# Altium PCB PCB.PcbDoc
Units mil, origin at the board's own origin, x right, y up, seen from the top; angles counter-clockwise.
Board outline 7480.31 x 2047.24 mil, 2 copper layers (Top Layer, Bottom Layer); 113 components, 135 nets, 524 pads, 237 vias.
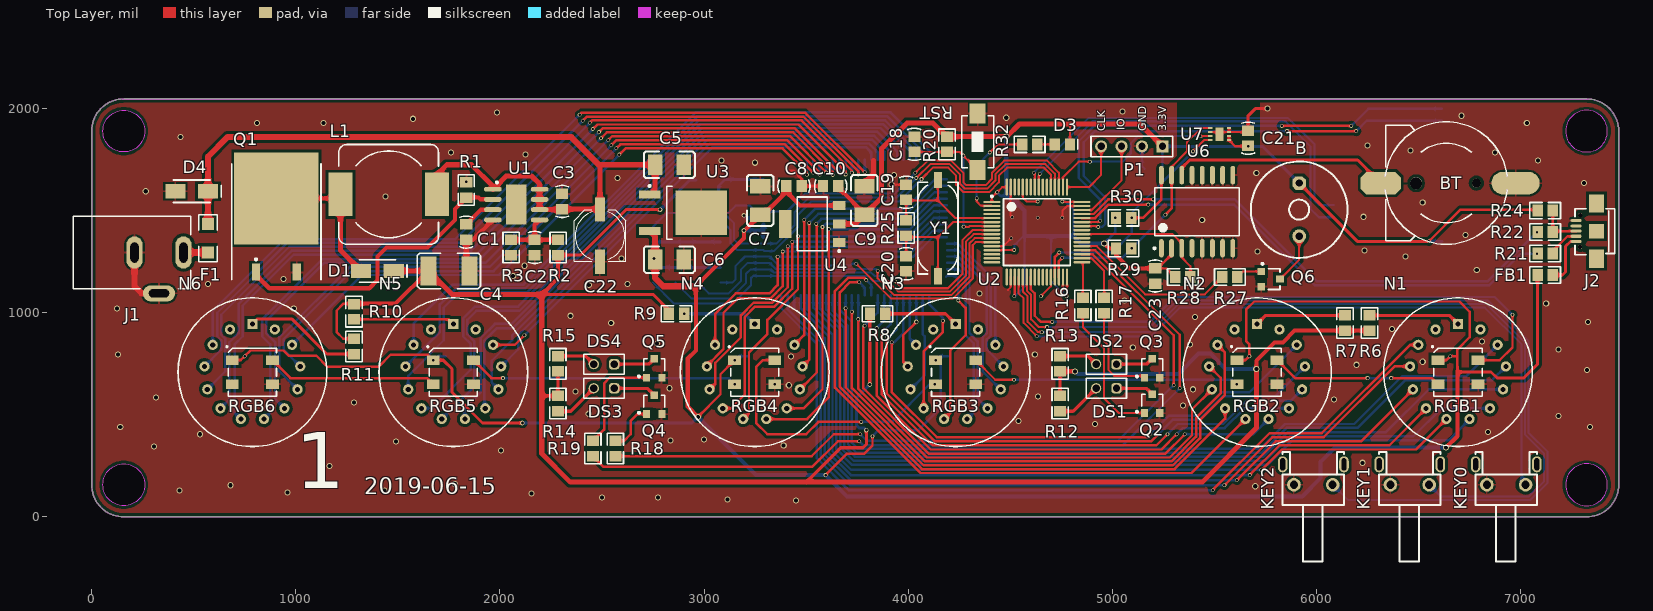
[diagram p0: Top Layer view]
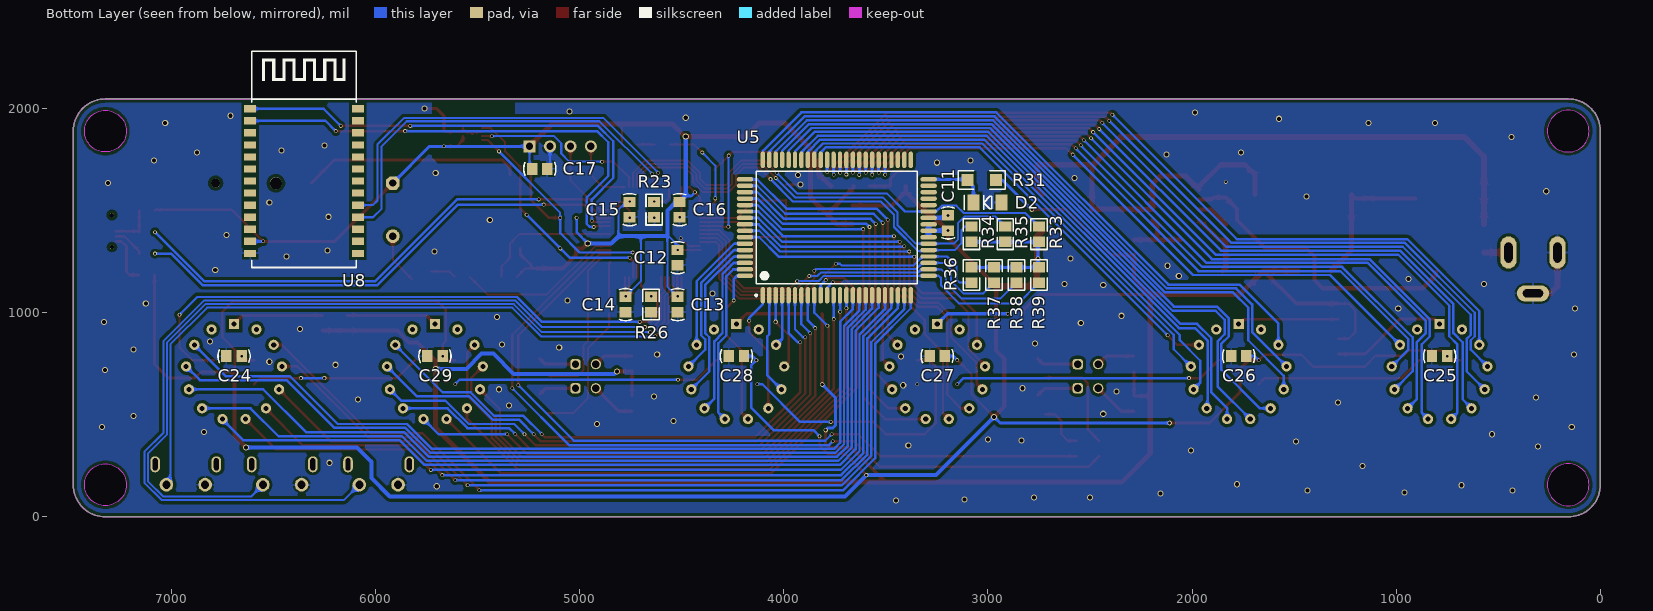
[diagram p1: Bottom Layer view, seen from below]

## Layer stack, top to bottom
Top Solder: solder mask 0.4, Solder Resist, Dk 3.5
Top Layer: signal copper 1.4
Dielectric 1: dielectric 12.6, FR-4, Dk 4.8
Bottom Layer: signal copper 1.4
Bottom Solder: solder mask 0.4, Solder Resist, Dk 3.5

## Board outline
0,157.48 0,1889.76 cw(c157.48,1889.76) 157.48,2047.24 7322.83,2047.24 cw(c7322.83,1889.76) 7480.31,1889.76 7480.31,157.48 cw(c7322.83,157.48) 7322.83,0 157.48,0 cw(c157.48,157.48)
cut-out: 7220.47,157.48 ccw(c7322.83,157.48) 7322.83,55.12 ccw(c7322.83,157.48) 7425.2,157.48 ccw(c7322.83,157.48) 7322.83,259.84 ccw(c7322.83,157.48)
cut-out: 157.48,55.12 cw(c157.48,157.48) 55.12,157.48 cw(c157.48,157.48) 157.48,259.84 cw(c157.48,157.48) 259.84,157.48 cw(c157.48,157.48)
cut-out: 7220.47,1889.76 ccw(c7322.83,1889.76) 7322.83,1787.4 ccw(c7322.83,1889.76) 7425.2,1889.76 ccw(c7322.83,1889.76) 7322.83,1992.13 ccw(c7322.83,1889.76)
cut-out: 157.48,1787.4 cw(c157.48,1889.76) 55.12,1889.76 cw(c157.48,1889.76) 157.48,1992.13 cw(c157.48,1889.76) 259.84,1889.76 cw(c157.48,1889.76)

## Design rules (kind name [scope] priority, off if disabled: settings)
Clearance Clearance_Polygon [InPolygon] p1: gap=15
Clearance [All] p2: gap=7
Height [All] p1: minheight=0 maxheight=3149.61 prefheight=500
MinimumSolderMaskSliver [All] p1: minsoldermaskwidth=0
PolygonConnect PolygonConnectVias [IsVia] p1: connectstyle=Direct reliefconductorwidth=10 reliefentries=4 polygonreliefangle="90 Angle" airgapwidth=10
PolygonConnect [All] p2: connectstyle=Relief reliefconductorwidth=10 reliefentries=4 polygonreliefangle="90 Angle" airgapwidth=10
RoutingVias [All] p1: holewidth=25 width=33 viastyle="Through Hole" minholewidth=10 minwidth=15 maxholewidth=50 maxwidth=70
SilkToSilkClearance [All] p1: silktosilkclearance=0
SilkToSolderMaskClearance [IsPad] p1: minsilkscreentomaskgap=0 clearancetoexposedcopper=TRUE
SolderMaskExpansion [All] p1: expansion=4
Width Width_VCC [(InNet('VCC5') AND InNet('VCC12') AND InNet('VCC3.3') AND InNet('VH'))] p1: maxlimit=35 minlimit=10 preferedwidth=25
Width [All] p2: maxlimit=35 minlimit=10 preferedwidth=10
26 further rules are at their usual default settings.

## Components (designator, comment, footprint, x,y, rotation, side; value= is the part's Value field where it differs from the comment)
B "BEEP-NS" BEEP-NS 5915,1505 r270 top
BT "Battery" CR1220 6315,1635 r90 top
C1 "Cap-S" C-0805 1835,1395 r90 top
C2 "Cap-S" C-0805 2170,1320 r90 top
C3 "Cap-S" C-0805 2305,1545 r270 top
C4 "Cap-Pol" C-1812 1750,1205 r0 top
C5 "Cap-S" C-1210 2830,1725 r0 top
C6 "Cap-S" C-1210 2830,1260 r0 top
C7 "Cap-Pol" C-1210 3275,1550 r270 top
C8 "Cap-S" C-0805 3440,1620 r0 top
C9 "Cap-Pol" C-1210 3785,1550 r270 top
C10 "Cap-S" C-0805 3620,1620 r180 top
C11 "Cap-S" C-0805 3195,1440 r90 bottom
C12 "Cap-S" C-0805 4520,1270 r90 bottom
C13 "Cap-S" C-0805 4520,1040 r90 bottom
C14 "Cap-S" C-0805 4775,1040 r90 bottom
C15 "Cap-S" C-0805 4755,1505 r90 bottom
C16 "Cap-S" C-0805 4510,1505 r90 bottom
C17 "Cap-S" C-0805 5195,1705 r180 bottom
C18 "Cap-S" C-0805 4030,1825 r90 top
C19 "Cap-S" C-0805 3990,1590 r270 top
C20 "Cap-S" C-0805 3990,1240 r90 top
C21 "Cap-S" C-0805 5665,1855 r270 top
C22 "Cap-Pol-ES" C-RB-SMD6.3x7.7 2490,1377.48 r270 top
C23 "Cap-S" C-0805 5210,1180 r270 top
C24 "Cap-S" C-0805 6692.91,787.4 r0 bottom
C25 "Cap-S" C-0805 787.4,787.4 r0 bottom
C26 "Cap-S" C-0805 1771.65,787.4 r0 bottom
C27 "Cap-S" C-0805 3248.03,787.4 r0 bottom
C28 "Cap-S" C-0805 4232.28,787.4 r0 bottom
C29 "Cap-S" C-0805 5708.66,787.4 r0 bottom
D1 "RS1G" D-SMA 1400,1205 r0 top
D2 "ZMM75" D-ll34 3000,1540 r0 bottom
D3 "LED0" LED-0805 4755,1825 r0 top
D4 "1N4007" D-SMA 490,1595 r0 top
DS1 "Neon" PIN2 4970.47,629.92 r180 top
DS2 "Neon" PIN2 4970.47,748.03 r180 top
DS3 "Neon" PIN2 2509.84,629.92 r180 top
DS4 "Neon" PIN2 2509.84,748.03 r180 top
F1 "Fuse1" 1206 570,1365 r90 top
FB1 "Inductor" 0805-1 7120,1185 r0 top
J1 "PWRCON" DC-005 490,1295 r0 top
J2 "USB_M" USB_MICRO 7371.25,1400 r90 top
KEY0 "KEY" SW_PB2_C1 6929.13,157.48 r180 top
KEY1 "KEY" SW_PB2_C1 6456.69,157.48 r180 top
KEY2 "KEY" SW_PB2_C1 5984.25,157.48 r180 top
L1 "Inductor" L-SMD-12 1455,1580 r180 top
N1 "IN_14" IN_14 6692.91,708.66 r0 top
N2 "IN_14" IN_14 5708.66,708.66 r0 top
N3 "IN_14" IN_14 4232.28,708.66 r0 top
N4 "IN_14" IN_14 3248.03,708.66 r0 top
N5 "IN_14" IN_14 1771.65,708.66 r0 top
N6 "IN_14" IN_14 787.4,708.66 r0 top
P1 "Header 4" HDR4X1-2.54 5095,1815 r180 top
Q1 "IRF740" TO263-2 905,1365 r0 top
Q2 "A42" SOT23-3 5195,555 r0 top
Q3 "A42" SOT23-3 5195,728.35 r0 top
Q4 "A42" SOT23-3 2755.91,550 r0 top
Q5 "A42" SOT23-3 2755.91,728.35 r0 top
Q6 "9013" SOT23-3 5775,1165 r270 top
R1 "Res1" 0805-1 1835,1601.26 r270 top
R2 "Res1" 0805-1 2285,1320 r90 top
R3 "Res1" 0805-1 2055,1320 r90 top
R6 "Res1" 0805-1 6260,950 r270 top
R7 "Res1" 0805-1 6140,950 r270 top
R8 "Res1" 0805-1 3850,995 r180 top
R9 "Res1" 0805-1 2865,995 r180 top
R10 "Res1" 0805-1 1285,1005 r90 top
R11 "Res1" 0805-1 1285,835 r90 top
R12 "Res1" 0805-1 4744.09,555 r270 top
R13 "Res1" 0805-1 4744.09,750 r90 top
R14 "Res1" 0805-1 2283.46,555 r90 top
R15 "Res1" 0805-1 2283.46,750 r90 top
R16 "Res1" 0805-1 4855,1035 r270 top
R17 "Res1" 0805-1 4960,1035 r270 top
R18 "Res1" 0805-1 2565,335 r90 top
R19 "Res1" 0805-1 2455,335 r90 top
R20 "Res1" 0805-1 4190,1825 r90 top
R21 "Res1" 0805-1 7120,1290 r180 top
R22 "Res1" 0805-1 7120,1395 r180 top
R23 "Res1" 0805-1 4635,1505 r90 bottom
R24 "Res1" 0805-1 7120,1500 r180 top
R25 "Res1" 0805-1 3990,1415 r90 top
R26 "Res1" 0805-1 4650,1040 r270 bottom
R27 "Res1" 0805-1 5575,1175 r0 top
R28 "Res1" 0805-1 5345,1175 r180 top
R29 "Res1" 0805-1 5055,1315 r180 top
R30 "Res1" 0805-1 5055,1465 r180 top
R31 "Res1" 1206 3030,1650 r0 bottom
R32 "Res1" 0805-1 4595,1825 r0 top
R33 "Res1" 0805-1 2750,1385 r270 bottom
R34 "Res1" 0805-1 3080,1385 r270 bottom
R35 "Res1" 0805-1 2915,1385 r270 bottom
R36 "Res1" 0805-1 3080,1185 r90 bottom
R37 "Res1" 0805-1 2970,1185 r90 bottom
R38 "Res1" 0805-1 2860,1185 r90 bottom
R39 "Res1" 0805-1 2750,1185 r90 bottom
RGB1 "WS2812B" SMD-5050-4 6692.91,708.66 r0 top
RGB2 "WS2812B" SMD-5050-4 5708.66,708.66 r0 top
RGB3 "WS2812B" SMD-5050-4 4232.28,708.66 r0 top
RGB4 "WS2812B" SMD-5050-4 3248.03,708.66 r0 top
RGB5 "WS2812B" SMD-5050-4 1771.65,708.66 r0 top
RGB6 "WS2812B" SMD-5050-4 787.4,708.66 r0 top
RST "SW-PB" SW_PB2_A1 4340,1840 r180 top
U1 "MC34063ADR" SOIC-8P 2080,1530 r0 top
U2 "STM32F103RCT6" LQFP-64 4630,1395 r0 top
U3 "LM7805" DPAK 2940,1490 r270 top
U4 "AMS1117" SOT223 3530,1435 r90 top
U5 "HV57708PG" PQFP-80 3740.16,1417.32 r90 bottom
U6 "DS3231" SOIC-16W 5415,1495 r90 top
U7 "SHT30" SHT3x-DIS 5525,1875 r0 top
U8 "HC-02" HC-02 6350,1645 r180 bottom
Y1 "XTAL" X-SM49 4145,1415 r270 top

## Footprints (in the part's own frame and the unit in brackets; to place one, negate y for a bottom-side part, rotate by r counter-clockwise, add the part's x,y. Pads: shape width x height; smd on the part's side, far side on the other; paste and mask are expansions set on the pad)
0805-1 [mm] "0805带丝印"
  rect 1.3x1.5 smd: 1(-0.95,0) 2(0.95,0)
  silkscreen extent -1.91,-1.02 1.91,1.02, body extent -1,-0.62 1,0.63, height 0.5
1206 [mil] "贴片元件"
  rect 60x60 smd: 1(-70,0) 2(70,0)
  silkscreen extent -115,-45 115,45, body extent -75,-35 75,35, height 39
BEEP-NS [mm] "无源蜂鸣器"
  oct 1.7x1.7 hole 0.9: 1(-3.3,0)
  round 1.7 hole 0.9: 2(3.3,0)
  silkscreen extent -6,-6 6,6, body extent -6,-6 6,6, height 8.5
C-0805 [mm] "贴片电容"
  rect 1.3x1.5 smd: 1(-0.95,0) 2(0.95,0)
  silkscreen extent -2,-0.79 2,0.79, body extent -1,-0.6 1,0.6, height 0.95
C-1210 [mm] "贴片电容"
  rect 1.8x2.5 smd: 1(1.778,0) 2(-1.778,0)
  silkscreen extent -3.17,-1.65 3.17,1.65, body extent -1.61,-1.26 1.61,1.26, height 1
C-1812 [mm] "贴片元件"
  rect 2x3.6 smd: 1(-2.54,0) 2(2.54,0)
  silkscreen extent -3.94,-2.2 3.94,2.2, body extent -2.79,-1.65 2.79,1.65, height 1.2
C-RB-SMD6.3x7.7 [mm] "贴片铝电解电容"
  rect 3x1.2 smd: 1(-3.25,0) 2(3.25,0)
  silkscreen extent -3.2,-3.2 3.2,3.2, body extent -3.3,-3.3 3.3,3.3, height 7.7
CR1220 [mm] "纽扣电池座"
  round 1.5 hole 1.5: 0(-0.022,-4.386)
  round 1.1 hole 1.1: 0(0.003,-11.886)
  oct 2.8x5 smd: 1(0,0)
  oval 2.8x6 smd: 2(0,-16.764)
  silkscreen extent -7.61,-15.71 7.62,-0.56, body extent -7.5,-17.63 7.49,0.87, height 4.94
D-ll34 [mm] "圆柱形1206贴片稳压二极管"
  rect 1.5x2 smd: 1(-1.702,0) 2(1.798,0)
  silkscreen extent -0.45,-0.89 2.92,0.89, body extent -1.75,-0.75 1.75,0.75, height 1.5
D-SMA [mm] "贴片二极管，DO-214AC"
  rect 2.5x1.75 smd: 1(-2.032,0) 2(2.032,0)
  silkscreen extent -2.29,-1.4 3.68,1.4, body extent -2.6,-1.3 2.6,1.3, height 2.4
DC-005 [mm] "DC电源插座"
  oval 2x4 hole 1 slot 2.5 at 90 deg: 1(-1.016,0) 2(-7.112,0)
  oval 4x2 hole 1 slot 2.5 at 0 deg: 3(-4.064,-5.08)
  silkscreen extent -14.73,-4.5 -0.13,4.5, body extent -14.59,-5.01 -0.76,4.5, height 11.02
DPAK [mm] "D-PAK, 3-Pads, Body 6.20x6.66mm (max), IPC Medium Density"
  rect 1x2.65 smd: 1(-2.28,-5.25) 3(2.28,-5.25)
  rect 5.5x6.4 smd: 2(0,1.15)
  silkscreen extent -3.45,-5.37 3.3,-2.45, body extent -3.3,-3.1 3.3,3.1, height 2.4
HC-02 [mm] "串口蓝牙, 2.0/4.0 BLE, 10m"
  rect 1.5x0.9 smd: 1(-6.7,9) 2(-6.7,7.5) 3(-6.7,6) 4(-6.7,4.5) 5(-6.7,3) 6(-6.7,1.5) 7(-6.7,0) 8(-6.7,-1.5) 9(-6.7,-3) 10(-6.7,-4.5) 11(-6.7,-6) 12(-6.7,-7.5) 13(-6.7,-9) 14(6.7,-9) 15(6.7,-7.5) 16(6.7,-6) 17(6.7,-4.5) 18(6.7,-3) 19(6.7,-1.5) 20(6.7,0) 21(6.7,1.5) 22(6.7,3) 23(6.7,4.5) 24(6.7,6) 25(6.7,7.5) 26(6.7,9)
  silkscreen extent -6.5,-10.75 6.5,16.15
HDR4X1-2.54 [mm] "2.54单排针排座"
  rect 1.5x1.5 hole 0.9: 1(-3.81,0)
  round 1.5 hole 0.9: 2(-1.27,0) 3(1.27,0) 4(3.81,0)
  silkscreen extent -5.08,-1.27 5.08,1.27, body extent -5.08,-1.27 5.08,1.27, height 8.5
IN_14 [mil] "辉光管"
  rect 50x50 hole 25: 1(0,236.22)
  round 50 hole 25: 2(-109.78,209.16) 3(-194.4,134.19) 4(-234.49,28.47) 5(-220.87,-83.76) 6(-156.64,-176.81) 7(-56.53,-229.36) 8(56.55,-229.35) 9(156.65,-176.81) 10(220.88,-83.76) 11(234.5,28.48) 12(194.41,134.19) 13(109.78,209.16)
  silkscreen extent -364,-364 364,364, body extent -374,-374 374,374, height 2402
L-SMD-12 [mm] "贴片电感12*12"
  rect 3x5.4 smd: 1(-6,0) 2(6,0)
  silkscreen extent -6.2,-6.2 6.2,6.2, body extent -6.2,-6.22 6.2,6.17, height 2.5
LED-0805 [mm] "贴片LED"
  rect 1.3x1.5 smd: 1(-0.95,0) 2(0.95,0)
  silkscreen extent 1.91,-0.64 1.91,0.64, body extent -1.01,-0.62 1.01,0.63, height 1.1
LQFP-64 [mm] "LQFP, 12x12"
  oval 2.1x0.3 smd: 1(-5.6,3.75) 2(-5.6,3.25) 3(-5.6,2.75) 4(-5.6,2.25) 5(-5.6,1.75) 6(-5.6,1.25) 7(-5.6,0.75) 8(-5.6,0.25) 9(-5.6,-0.25) 10(-5.6,-0.75) 11(-5.6,-1.25) 12(-5.6,-1.75) 13(-5.6,-2.25) 14(-5.6,-2.75) 15(-5.6,-3.25) 16(-5.6,-3.75) 33(5.6,-3.75) 34(5.6,-3.25) 35(5.6,-2.75) 36(5.6,-2.25) 37(5.6,-1.75) 38(5.6,-1.25) 39(5.6,-0.75) 40(5.6,-0.25) 41(5.6,0.25) 42(5.6,0.75) 43(5.6,1.25) 44(5.6,1.75) 45(5.6,2.25) 46(5.6,2.75) 47(5.6,3.25) 48(5.6,3.75)
  oval 0.3x2.1 smd: 17(-3.75,-5.6) 18(-3.25,-5.6) 19(-2.75,-5.6) 20(-2.25,-5.6) 21(-1.75,-5.6) 22(-1.25,-5.6) 23(-0.75,-5.6) 24(-0.25,-5.6) 25(0.25,-5.6) 26(0.75,-5.6) 27(1.25,-5.6) 28(1.75,-5.6) 29(2.25,-5.6) 30(2.75,-5.6) 31(3.25,-5.6) 32(3.75,-5.6) 49(3.75,5.6) 50(3.25,5.6) 51(2.75,5.6) 52(2.25,5.6) 53(1.75,5.6) 54(1.25,5.6) 55(0.75,5.6) 56(0.25,5.6) 57(-0.25,5.6) 58(-0.75,5.6) 59(-1.25,5.6) 60(-1.75,5.6) 61(-2.25,5.6) 62(-2.75,5.6) 63(-3.25,5.6) 64(-3.75,5.6)
  silkscreen extent -5.72,-4.15 4.15,4.57, body extent -6.07,-6.07 6.07,6.07, height 1.62
PIN2 [mm] "氖泡, 2 Pins"
  rrect50% 1.27x1.27 hole 0.9: 1(-1.27,0)
  round 1.27 hole 0.9: 2(1.27,0)
  silkscreen extent -2.5,-1.25 2.5,1.25
PQFP-80 [mm]
  oval 2.05x0.55 smd: 1(-8.425,9.2) 2(-8.425,8.4) 3(-8.425,7.6) 4(-8.425,6.8) 5(-8.425,6) 6(-8.425,5.2) 7(-8.425,4.4) 8(-8.425,3.6) 9(-8.425,2.8) 10(-8.425,2) 11(-8.425,1.2) 12(-8.425,0.4) 13(-8.425,-0.4) 14(-8.425,-1.2) 15(-8.425,-2) 16(-8.425,-2.8) 17(-8.425,-3.6) 18(-8.425,-4.4) 19(-8.425,-5.2) 20(-8.425,-6) 21(-8.425,-6.8) 22(-8.425,-7.6) 23(-8.425,-8.4) 24(-8.425,-9.2) 41(8.425,-9.2) 42(8.425,-8.4) 43(8.425,-7.6) 44(8.425,-6.8) 45(8.425,-6) 46(8.425,-5.2) 47(8.425,-4.4) 48(8.425,-3.6) 49(8.425,-2.8) 50(8.425,-2) 51(8.425,-1.2) 52(8.425,-0.4) 53(8.425,0.4) 54(8.425,1.2) 55(8.425,2) 56(8.425,2.8) 57(8.425,3.6) 58(8.425,4.4) 59(8.425,5.2) 60(8.425,6) 61(8.425,6.8) 62(8.425,7.6) 63(8.425,8.4) 64(8.425,9.2)
  oval 0.55x2.05 smd: 25(-6,-11.425) 26(-5.2,-11.425) 27(-4.4,-11.425) 28(-3.6,-11.425) 29(-2.8,-11.425) 30(-2,-11.425) 31(-1.2,-11.425) 32(-0.4,-11.425) 33(0.4,-11.425) 34(1.2,-11.425) 35(2,-11.425) 36(2.8,-11.425) 37(3.6,-11.425) 38(4.4,-11.425) 39(5.2,-11.425) 40(6,-11.425) 65(6,11.425) 66(5.2,11.425) 67(4.4,11.425) 68(3.6,11.425) 69(2.8,11.425) 70(2,11.425) 71(1.2,11.425) 72(0.4,11.425) 73(-0.4,11.425) 74(-1.2,11.425) 75(-2,11.425) 76(-2.8,11.425) 77(-3.6,11.425) 78(-4.4,11.425) 79(-5.2,11.425) 80(-6,11.425)
  silkscreen extent -8.55,-10 7,10.15, body extent -7,-10 7,10, height 3.1
SHT3x-DIS [mm] "温湿度传感器，DFN封装"
  rect 0.55x0.25 smd: 1(-1.175,0.75) 2(-1.175,0.25) 3(-1.175,-0.25) 4(-1.175,-0.75) 5(1.175,-0.75) 6(1.175,-0.25) 7(1.175,0.25) 8(1.175,0.75)
  rect 1x1.7 smd: 9(0,0)
  body extent -1.25,-1.25 1.25,1.25, height 0.9
SMD-5050-4 [mm]
  rect 1.6x1.2 smd: 1(-2.5,1.5) 2(-2.5,-1.5) 3(2.5,-1.5) 4(2.5,1.5)
  silkscreen extent -3.27,-3 3,3.27, body extent -2.7,-2.5 2.7,2.5, height 1.5
SOIC-8P [mm] "SOIC-8 散热"
  oval 2.2x0.6 smd: 1(-2.908,1.905) 2(-2.908,0.635) 3(-2.908,-0.635) 4(-2.908,-1.905) 5(2.908,-1.905) 6(2.908,-0.635) 7(2.908,0.635) 8(2.908,1.905)
  rect 2.5x5 smd: 9(0,0)
  silkscreen extent -2.52,2.63 -2.27,2.88, body extent -3.1,-2.5 3.1,2.5, height 1.75
SOIC-16W [mm] "SOIC"
  oval 2.3x0.6 smd: 1(-4.55,4.445) 2(-4.55,3.175) 3(-4.55,1.905) 4(-4.55,0.635) 5(-4.55,-0.635) 6(-4.55,-1.905) 7(-4.55,-3.175) 8(-4.55,-4.445) 9(4.55,-4.445) 10(4.55,-3.175) 11(4.55,-1.905) 12(4.55,-0.635) 13(4.55,0.635) 14(4.55,1.905) 15(4.55,3.175) 16(4.55,4.445)
  silkscreen extent -4.67,-5.25 3,5.42, body extent -3.75,-5.15 3.75,5.15, height 2.65
SOT23-3 [mm]
  rect 0.9x0.95 smd: 1(-0.95,-1.175) 2(0.95,-1.175) 3(0,1.175)
  silkscreen extent -2.03,-1.14 1.3,1.18, body extent -1.45,-1.4 1.45,1.4, height 1.2
SOT223 [mm]
  rect 1.1x1.55 smd: 1(-2.3,-3.375) 2(0,-3.375) 3(2.3,-3.375)
  rect 3.45x1.55 smd: 4(0,3.375)
  silkscreen extent -3.5,-3.48 3.35,1.85, body extent -3.25,-3.48 3.25,3.48, height 1.7
SW_PB2_A1 [mm]
  rect 2x2.5 smd: 1(0,3.556) 2(0,-3.444)
  silkscreen extent -2,-3.19 2,3.31, body extent -1.93,-3.94 1.92,3.95, height 2.5
SW_PB2_C1 [mm] "侧卧微动开关"
  round 1.7 hole 1: 1(-2.413,0) 2(2.413,0)
  oval 1.2x2 hole 0.6 slot 1.5 at 90 deg: 3(-3.81,-2.54) 4(3.81,-2.54)
  silkscreen extent -3.81,-4.06 3.81,9.53, body extent -4.26,-4 4.44,3.85, height 7.4
TO263-2 [mm] "LM2940/LM1086"
  rect 1.05x2.1 smd: 1(-2.54,-4.225) 3(2.54,-4.225)
  rect 10.5x11.43 smd: 2(0,4.953)
  silkscreen extent -5.55,-5.17 5.55,9.28, body extent -5.33,-4.7 5.33,9.27, height 1.6
USB_MICRO [mm] "USB方孔"
  round 0.5 hole 0.5: 0(-2,2.032)
  round 0.5 hole 0.56: 0(2,2.032)
  oct 0.4x1.35 smd: 1(-1.3,2.54) 2(-0.65,2.54) 3(0,2.54) 4(0.65,2.54) 5(1.3,2.54)
  rect 2.286x1.9 smd: 6(3.429,0) 7(-3.429,0)
  rect 1.8x1.9 smd: 8(0,0)
  silkscreen extent -2.92,-2.29 2.79,2.67, body extent -4.4,-2.79 4.4,2.81, height 2.73
X-SM49 [mm]
  rect 2x1 smd: 1(6,0.004) 2(-6,-0.004)
  silkscreen extent -5.7,-2.5 5.72,2.5, body extent -6.7,-2.46 6.7,2.44, height 4

## Part data
B: "无源蜂鸣器"
C1 C2 C3 C5 C6 C8 C10 C11 C12 C13 C14 C15 C16 C17 C18 C19 C20 C21 C23 C24 C25 C26 C27 C28 C29: "贴片瓷片电容"
C4 C7 C9: library part Cap-Pol-A, "钽电容"
C22: "贴片铝电解电容"
D1: library part Diode-Schottky, "快恢复二极管"
D2: library part Diode-Z, "稳压二极管"
D3: "发光二极管"
D4: library part Diode, "整流二极管"
DS1 DS2 DS3 DS4: library part Neon_Lamp, "氖泡"
F1: "保险丝"
FB1: "磁珠"
J1: "直流电源端子"
J2: "Micro/Mini USB"
KEY0 KEY1 KEY2: library part SW-PB, "微动开关"
L1: "电感"
N1 N2 N3 N4 N5 N6: "辉光管"
P1: "接插件"
Q1: library part MOSFET-N, "N-Channel MOSFET"
Q2 Q3 Q4 Q5 Q6: library part NPN1, "贴片三极管"
R1 R2 R3 R6 R7 R8 R9 R10 R11 R12 R13 R14 R15 R16 R17 R18 R19 R20 R21 R22 R23 R24 R25 R26 R27 R28 R29 R30 R31 R32 R33 R34 R35 R36 R37 R38 R39: "贴片电阻"
RGB1 RGB2 RGB3 RGB4 RGB5 RGB6: "WS2812B 4脚RGB全彩LED"
RST: "微动开关"
U1: "开关变压器芯片"
U2: "STM32F103, 64引脚, 256Kb Flash, 48Kb SRAM"
U3: library part LM7805CT, "Series 3-Terminal Positive Regulator"
U4: "3.3V稳压芯片"
U5: "32MHz, 64通道推挽输出串入并出芯片"
U6: "高精度时钟芯片"
U7: library part SHT3X, "温湿度传感器"
U8: "串口蓝牙4.0, 10m"
Y1: "晶振"

## Via types
v1: diameter 18, hole 12, Top Layer to Bottom Layer, tented both sides, 126 vias
v2: diameter 30, hole 20, Top Layer to Bottom Layer, tented both sides, 103 vias
v3: diameter 23, hole 15, Top Layer to Bottom Layer, tented both sides, 7 vias
v4: diameter 22, hole 15, Top Layer to Bottom Layer, tented both sides, 1 vias

## Nets (pads, with @x,y where several pads share a name; then routed paths per layer and width w, separated by ;. In a path a pad name is that pad's centre, name@x,y a point inside that pad or via, vN(x,y) a via of type N, cw(c..) or ccw(c..) an arc to the next point about the centre after c; other vN are vias at no path point)
BEEP: R27.1 U2.37 | length 820.1
  Top Layer w10: U2.37 4923.9,1326.1 5160,1090 5452.6,1090 R27.1
DOT1: R16.1 U2.33 | length 176.8
  Top Layer w10: U2.33 4855,1242.83 R16.1
DOT2: R17.1 U2.34 | length 267.6
  Top Layer w10: U2.34 4897.5,1267.05 4960,1204.54 R17.1
DOT3: R18.1 U2.35 | length 3764.3
  Top Layer w12: R18.1 3527.6,297.6 3635,405 v1(3765,405) ; U2.35 4903.27,1286.73 5300,890 v1(5300,645)
  Bottom Layer w12: v1(3765,405) 3797,373 5028,373 v1(5300,645)
DOT4: R19.1 U2.36 | length 3984.4
  Top Layer w12: R19.1 2507.6,245 3529.45,245 3654.45,370 v1(3760,370) ; U2.36 4915.58,1306.42 5330,892 v1(5330,630)
  Bottom Layer w12: v1(3760,370) 3778,352 5052,352 v1(5330,630)
DS_INT: R28.1 U2.40 U6.3 | length 690.8
  Top Layer w10: U2.40 5294.84,1385.16 5340,1340 U6.3 5340,1270.75 5382.4,1228.35 R28.1
GND: BT.2 C1.1 C2.1 C3.1 C4.2 C5.1 C6.1 C7.2 C8.2 C9.2 C10.2 C11.2 C12.1 C13.1 C14.1 C15.1 C16.1 C17.2 C18.2 C19.1 C20.1 C21.1 C22.2 C23.2 C24.2 C25.2 C26.2 C27.2 C28.2 C29.2 D2.1 D4.1 J1.2 J1.3 J2.5 KEY0.2 KEY1.2 KEY2.2 P1.2 Q1.3 Q2.2 Q3.2 Q4.2 Q5.2 Q6.2 R1.1 R3.1 R23.1 R26.2 RGB1.3 RGB2.3 RGB3.3 RGB4.3 RGB5.3 RGB6.3 RST.2 U1.4 U2.12 U2.18 U2.31 U2.47 U2.63 U3.2 U4.1 U5.34 U6.5 U6.6 U6.7 U6.8 U6.9 U6.10 U6.11 U6.12 U6.13 U7.2 U7.7 U7.8 U7.9 U8.13 | length 2242.6
  Top Layer w10: v2(3917.4,1627.4) C19.1 ; U2.12 4466.1,1326.1 v1(4505,1365) ; 4489.34,1112.52 4502.05,1125.24 U2.18 ; U2.63 4502.05,1475.55 v1(4510,1467.6) ; 4740,1095 4757.95,1112.95 U2.31 ; v1(4755,1465) 4755,1500 4777.95,1522.95 U2.47 ; U7.2 5515.16,1884.84 U7.9 5534.84,1884.84 U7.7 ; U7.8 U7.7 ; C21.1 5657.44,1884.84 U7.7
  Top Layer w15: 3416.19,1694.33 3440,1694.33 3477.4,1656.92 C8.2 C10.2 ; C21.1 5665,1965 5700,2000 v2(5760,2000)
  Top Layer w20: C1.1 1868.11,1357.6 U1.4
  Top Layer w25: C1.1 1835,1220 C4.2 ; C9.2@3770,1620 3830,1680 3830,1745
  Top Layer w30: J1.2 210,1130 245,1095 J1.3
  Bottom Layer w10: P1.2 5145,1717.6 C17.2
  Bottom Layer w20: v3(3195,1477.4) 3207.83,1464.57 U5.34
  other v1: 3346.46,649.61 4635,1465.63 1835.01,1640.62
  other v2: 3450,80 3115,85 2500,95 2775,95 2155,115 960,120 430,130 1435,130 5700,150 680,155 1780,160 1165,250 6225,265 2005,325 305,345 3390,350 1490,370 2835,375 3000,380 530,405 6840,415 140,440 7340,440 4915,455 4540,470 7185,495 2435,505 5345,545 1285,560 6085,575 315,585 4635,590 2370,615 5395,625 2830,630 3415,645 7325,720 6195,745 6520,760 3425,785 130,795 4620,795 7185,820 5100,830 5380,845 2770,850 6810,860 6370,920 2545,950 7330,955 5405,980 2345,985 125,1020 990,1020 7125,1045 5060,1060 4350,1095 2435,1135 570,1140 2625,1140 940,1165 2065,1180 6785,1210 2120,1230 2595,1265 6435,1275 5710,1300 6235,1305 6730,1380 5440,1455 6230,1470 6520,1540 1440,1570 265,1595 7310,1635 2575,1660 3930,1675 5705,1685 3250,1735 3085,1745 7085,1745 2125,1775 1760,1785 6875,1785 6460,1795 6250,1820 435,1860 810,1930 1135,1930 7030,1930 1575,1950 4480,1955 6710,1965 1985,1980 5050,1985
HC-KEY: U2.57 U8.18 | length 1993.1
  Top Layer w10: v1(4615,1685) 4620.16,1679.84 U2.57
  Bottom Layer w10: v1(4615,1685) 4885,1955 5860,1955 5990,1825 5990,1550 6013.11,1526.89 U8.18
HC-RXD: U2.42 U8.2 | length 2363.5
  Top Layer w10: U2.42 4925.47,1424.53 v1(4930,1420)
  Top Layer w12: v1(5855,1890) v1(6195,1890)
  Bottom Layer w12: v1(4930,1420) 4950,1420 4965,1435 4965,1565 4860,1670 4860,1835 4915,1890 v1(5855,1890) ; v1(6195,1890) 6245.28,1940.28 U8.2
HC-STA: U2.56 U8.17 | length 1988.2
  Top Layer w10: U2.56 4639.84,1674.84 v1(4645,1680)
  Bottom Layer w10: v1(4645,1680) 4903,1938 5847,1938 5970,1815 5970,1510 6012.17,1467.83 U8.17
HC-TXD: U2.43 U8.1 | length 2370.5
  Top Layer w10: U2.43@4850.26,1444 U2.43 4934.21,1444.21 v1(4940,1450)
  Top Layer w12: v1(5830,1915) v1(6170,1915)
  Bottom Layer w12: v1(4940,1450) 4940,1555 4835,1660 4835,1840 4910,1915 v1(5830,1915) ; v1(6170,1915) 6254.33,1999.33 U8.1
HV_CLK: R35.1 U2.52 U5.30 | length 2353.7
  Top Layer w10: v1(4040,1660) 4108,1728 4202.96,1728 4253,1677.96 4253,1632.96 4277.96,1608 4387.04,1608 4427,1647.96 4427,1677.54 4477.46,1728 4672,1728 4718.58,1681.42 U2.52
  Bottom Layer w10: R35.1 2964.23,1471.63 3113.37,1471.63 3147,1438 3147,1358 3166.42,1338.58 U5.30 3353.58,1338.58 3443,1428 3443,1493 3515,1565 3945,1565 v1(4040,1660)
HV_DIN1: R39.1 U2.8 U5.25 | length 2018.9
  Top Layer w10: v1(3935,1155) 3970,1120 4195,1120 4265,1190 4265,1355 4314.84,1404.84 U2.8
  Bottom Layer w10: R39.1 2852.6,1045 3140,1045 3230,1135 3230,1170 3241.1,1181.1 U5.25 3290.46,1181 3803.7,1181 3829.7,1155 v1(3935,1155)